# Altium PCB DCAC_V2.PcbDoc (part 2 of 2) (continued)
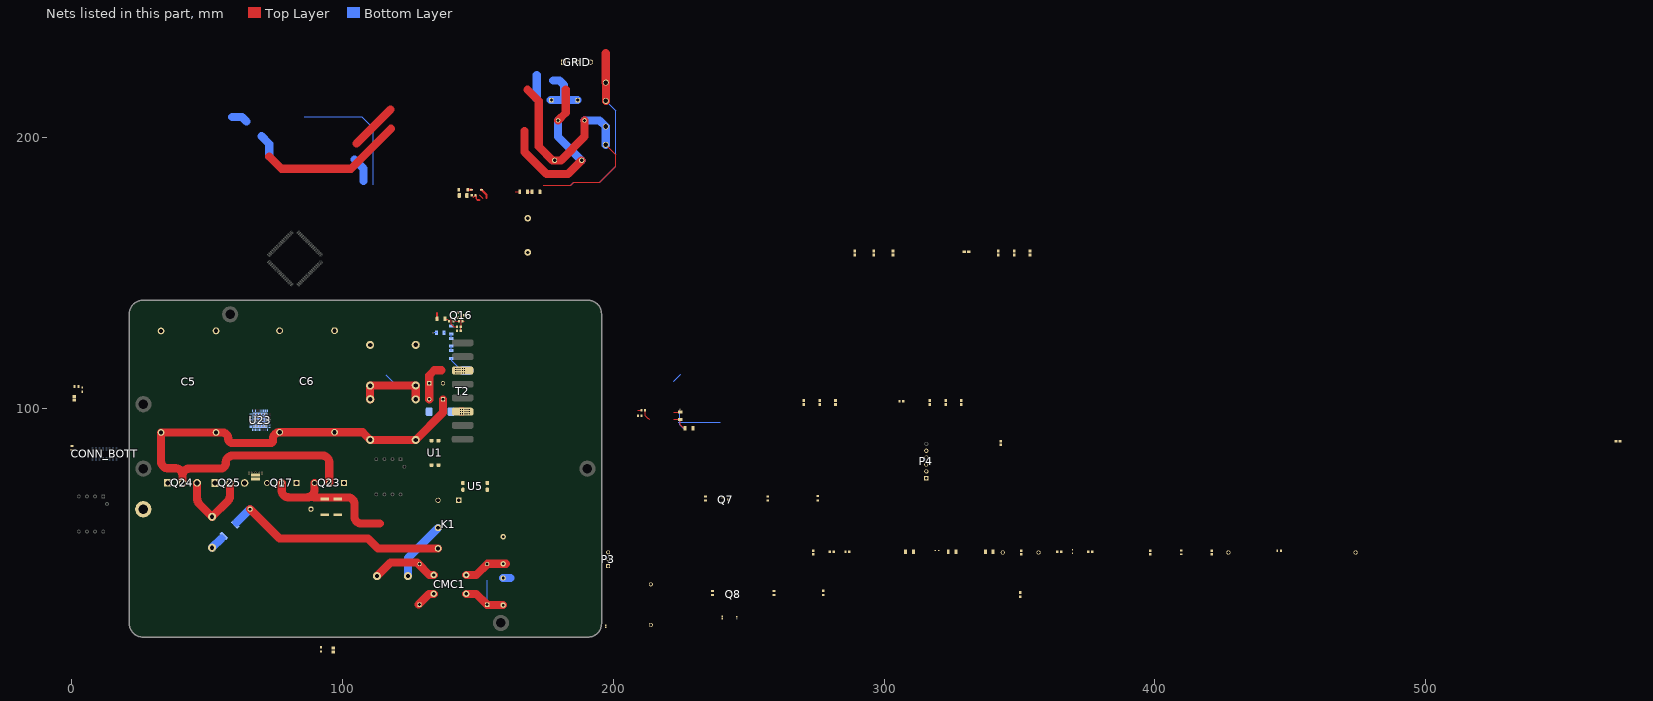
[diagram p3: the nets of this part, all layers, seen from the top]
## Part data (continued)
R130: library part CMP-2100-03667-1, "Chip Resistor, 0 Ohm, +/- 5%, 0.1 W, -55 to 155 degC, 0603 (1608 Metric), RoHS, Tape and Reel", Case Code (Imperial)=0603, Case Code (Metric)=1608, Manufacturer=Yageo, Manufacturer Part Number=RC0603JR-070RL, Max Operating Temperature=155degC, Max Power Dissipation=100mW, Min Operating Temperature=-55degC, Package Description="2-Pin Surface Mount Device, Body 1.6 x 0.8 mm", Package Quantity=5000, Resistance=0mOhm, Resistance Tolerance=5%, Resistor Type="Thick Film", Temperature coefficient=200ppm/degreesC, Voltage Rating=50V, Case/Package=0603, Category="Chip SMD Resistors", ComponentLink1Description=https://datasheet.ciiva.com/11808/pyu-r-int-6-11808700.pdf?src-supplier=RSComponents, ComponentLink1URL=https://datasheet.ciiva.com/11808/pyu-r-int-6-11808700.pdf?src-supplier=RSComponents, ComponentLink2Description=https://datasheet.ciiva.com/22747/443971-22747530.pdf?src-supplier=Element14, ComponentLink2URL=https://datasheet.ciiva.com/22747/443971-22747530.pdf?src-supplier=Element14, ComponentLink3Description=https://datasheet.ciiva.com/12555/rc0603-272842-12555254.pdf?src-supplier=Mouser, ComponentLink3URL=https://datasheet.ciiva.com/12555/rc0603-272842-12555254.pdf?src-supplier=Mouser, ComponentLink4Description=https://datasheet.ciiva.com/7746/1738695-7746421.pdf?src-supplier=Element14, ComponentLink4URL=https://datasheet.ciiva.com/7746/1738695-7746421.pdf?src-supplier=Element14, ComponentLink5Description=https://datasheet.ciiva.com/7746/1738695-7746422.pdf?src-supplier=Element14, ComponentLink5URL=https://datasheet.ciiva.com/7746/1738695-7746422.pdf?src-supplier=Element14, ComponentLink6Description=https://datasheet.ciiva.com/8883/pyu-rc0603-51-rohs-l-4-8883045.pdf?src-supplier=Avnet, ComponentLink6URL=https://datasheet.ciiva.com/8883/pyu-rc0603-51-rohs-l-4-8883045.pdf?src-supplier=Avnet, ComponentLink7Description=https://datasheet.ciiva.com/15189/getdatasheetpartid-329462-15189845.pdf?src-supplier=Verical, ComponentLink7URL=https://datasheet.ciiva.com/15189/getdatasheetpartid-329462-15189845.pdf?src-supplier=Verical, Composition=ThickFilm, Construction=Rectangular, Contact Plating=Tin, Datasheet URL=http://www.yageo.com/NewPortal/yageodocoutput?fileName=/pdf/R-Chip/PYu-RC_Group_51_RoHS_L_5.pdf, Datasheet Version="Rev. 5, 10/2016", Depth=0.8mm, Features="Moisture Resistant", Height=0.45mm, Lead Free=LeadFree, Length=1.6mm, Manufacturer URL=http://www.yageo.com/, Military Standard=Not, Number of Pins=2, Number of Terminations=2, Package Reference=0603, Packaging=TapeandReel, Power Rating=100mW, Pricing 1="5000=0.00138, 10000=0.00136, 20000=0.00132, 30000=0.00129, 40000=0.00124, 50000=0.00121, 500000=0.00118 (USD)", Radiation Hardening=No, REACH SVHC=NoSVHC, RoHS=Yes, RoHS Compliant=Yes, RoHSCompliant=true, Series=RC, Size Code=0603, Stock 1=1330000, Supplier 1=Avnet, Supplier Part Number 1=RC0603JR-070RL, Technology="THICK FILM", Termination=SMD/SMT, Tolerance=5%, Voltage Rating (DC)=50V, Width=0.8mm
R152: library part CMP-2000-00841-1, Case Code (Imperial)=0603, Case Code (Metric)=1608, Manufacturer=Panasonic, Manufacturer Part Number=ERJ-3RQF1R0V, Max Operating Temperature=125°C, Max Power Dissipation=100mW, Min Operating Temperature=-55°C, Package Quantity=5000, Resistance Tolerance=1%, Resistor Type="Thick Film", Supplier Part Number 1=P1.0AJCT-ND, Temperature coefficient=200ppm/°C, Case/Package=0603, Category="Chip SMD Resistors", ComponentLink1Description=https://datasheet.ciiva.com/11810/0900766b80eefa12-11810728.pdf?src-supplier=RSComponents, ComponentLink1URL=https://datasheet.ciiva.com/11810/0900766b80eefa12-11810728.pdf?src-supplier=RSComponents, ComponentLink2Description=https://datasheet.ciiva.com/16396/aoa0000ce3-16396837.pdf?src-supplier=Future+Electronics, ComponentLink2URL=https://datasheet.ciiva.com/16396/aoa0000ce3-16396837.pdf?src-supplier=Future+Electronics, ComponentLink3Description=https://datasheet.ciiva.com/28691/391509-28691973.pdf?src-supplier=Element14, ComponentLink3URL=https://datasheet.ciiva.com/28691/391509-28691973.pdf?src-supplier=Element14, ComponentLink4Description=https://datasheet.ciiva.com/16784/70068852-16784839.pdf?src-supplier=Allied+Electronics, ComponentLink4URL=https://datasheet.ciiva.com/16784/70068852-16784839.pdf?src-supplier=Allied+Electronics, ComponentLink5Description=https://datasheet.ciiva.com/9117/aoa0000ce3-9117368.pdf?src-supplier=Avnet, ComponentLink5URL=https://datasheet.ciiva.com/9117/aoa0000ce3-9117368.pdf?src-supplier=Avnet, ComponentLink6Description=https://datasheet.ciiva.com/24165/aoa0000ce3-72189-24165336.pdf?src-supplier=Mouser, ComponentLink6URL=https://datasheet.ciiva.com/24165/aoa0000ce3-72189-24165336.pdf?src-supplier=Mouser, ComponentLink7Description=https://datasheet.ciiva.com/30060/6aoa0000ce3-30060648.pdf?src-supplier=Onlinecomponents.com, ComponentLink7URL=https://datasheet.ciiva.com/30060/6aoa0000ce3-30060648.pdf?src-supplier=Onlinecomponents.com, ComponentLink8Description=https://datasheet.ciiva.com/6138/391509-6138777.pdf?src-supplier=Farnell, ComponentLink8URL=https://datasheet.ciiva.com/6138/391509-6138777.pdf?src-supplier=Farnell, ComponentLink9Description=https://datasheet.ciiva.com/16766/70068852-16766778.pdf?src-supplier=Allied+Electronics, ComponentLink9URL=https://datasheet.ciiva.com/16766/70068852-16766778.pdf?src-supplier=Allied+Electronics, ComponentLink10Description=https://datasheet.ciiva.com/16853/aoa0000ce3-16853436.pdf?src-supplier=Avnet+Europe, ComponentLink10URL=https://datasheet.ciiva.com/16853/aoa0000ce3-16853436.pdf?src-supplier=Avnet+Europe, ComponentLink11Description=https://datasheet.ciiva.com/43455/391509-43455868.pdf?src-supplier=Farnell, ComponentLink11URL=https://datasheet.ciiva.com/43455/391509-43455868.pdf?src-supplier=Farnell, ComponentLink12Description=https://datasheet.ciiva.com/28547/391509-28547230.pdf?src-supplier=Element14, ComponentLink12URL=https://datasheet.ciiva.com/28547/391509-28547230.pdf?src-supplier=Element14, Construction=Rectangular, Contact Plating=Tin, Depth=0.8mm, Height=0.45mm, Lead Free="Lead Free", Length=1.6mm, Military Standard=Not, Mount="Surface Mount", Number of Pins=2, Number of Terminations=2, Packaging="Tape and Reel", Part Number=ERJ-3RQF1R0V, Power Rating=100mW, Pricing 1="1=0.16000, 10=0.13600, 25=0.09920, 50=0.07200, 100=0.05330, 250=0.04092, 500=0.03224, 1000=0.02232 (USD)", Radiation Hardening=No, REACH SVHC="No SVHC", Resistance=1R, RoHS=Yes, RoHS Compliant=Yes, Series=ERJ, Size Code=0603, Stock 1=180732, Supplier 1=Digi-Key, Technology="THICK FILM", Termination=SMD/SMT, Tolerance=1%, Weight=7.1E-05oz, Width=0.8mm
R196 R197: library part CMP-1018-00284-1, "10R 1W 1% 2512 (6432 Metric)  SMD", Case-EIA=2512, Case-Metric=6432, Power="1 W", Tolerance="1 %", Technology=SMT
Rcsn: library part FCSL32R010FER, "Resistors FCSL Series Metal Foil Power Rating 1.5W Tape Reel Resistance 20 mOhms", Manufacturer=Ohmite, Manufacturer Part Number=FCSL32R020FER, Mouser Part Number=588-FCSL32R020FER, Supplier Part Number 1=FCSL32R020FERCT-ND, Category="Chip SMD Resistors", ComponentLink1Description=http://www.farnell.com/datasheets/2645666.pdf?src-supplier=Farnell, ComponentLink1URL=http://www.farnell.com/datasheets/2645666.pdf?src-supplier=Farnell, Datasheet Link=https://www.mouser.com/datasheet/2/303/res_fcsl-1265567.pdf, Height=0.8mm, Manufacturer_Name=Ohmite, Manufacturer_Part_Number=FCSL32R020FER, Mouser Price/Stock=https://www.mouser.co.uk/ProductDetail/Ohmite/FCSL32R010FER?qs=y6ZabgHbY%252Bzyqz46BACxrg%3D%3D, Pricing 1="1=0.63000, 10=0.45000, 25=0.35120, 50=0.29700, 100=0.23400, 250=0.19800, 500=0.16200, 1000=0.12600 (USD)", RoHS=Yes, Stock 1=1940, Supplier 1=Digi-Key
RELAY: library part CMP-1426-00002-1, "SMD mono-color Chip LED, WL-SMCW, Green", Color=Green, Manufacturer="Wuerth Elektronik", ComponentLink1Description="Manufacturer URL", ComponentLink1URL=http://www.we-online.com, ComponentLink2Description=Datasheet, ComponentLink2URL=http://katalog.we-online.com/led/datasheet/150060GS75000.pdf, PackageReference=0603_A, PartNumber=150060GS75000
T1 T3: "Push Pull"
T2: library part TI-ETD39-200V-2A-LLC, "Lr=1.9uH / Lm=10.2uH / n=5.7 / Vin=30-40V / Vout=200V"
TP7 TP25 TP26: library part CMP-2000-05182-1, "Test Point, White, 1-Pin THD, RoHS, Bulk", Color=White, Manufacturer=KeystoneElectronics, Brand=KeystoneElectronics, Contact Material=PhosphorBronze, Datasheet URL=https://ciiva.com/datasheet-click-2917627?src=ciiva&sig=bd195616, Datasheet Version="Rev. G, 12/2008", Length=7.62mm, Manufacturer URL=http://www.keyelco.com/, Material=Nylon, Mounting Hole Size=1mm, Outside Diameter=2.54mm, Packaging=Bulk, Plating=Silver, Product=TestPoints, Product Category=CircuitBoardHardware-PCB, RoHS=True, Type=Miniature
TP9: library part CMP-2000-05181-1, "Test Point, Black, 1-Pin THD, RoHS, Bulk", Alternate Color="5004K-ND / -TESTPOINTPCMINI.040\"DYELLOW / 5003K-ND / -TESTPOINTPCMINI.040\"DORANGE / 5002K-ND / -TESTPOINTPCMINI.040\"DWHITE / 5000K-ND / -TESTPOINTPCMINI.040\"DRED", Color=Black, Manufacturer=Keystone, Standard Package=100, Catalog Drawings=5000Series, Category=TestandMeasurement, Datasheet URL=https://ciiva.com/datasheet-click-2917627?src=ciiva&sig=bd195616, Datasheet Version="Rev. G, 12/2008", Family=TestPoints, Kits="DKTGRS232C-KIT-ND / -TTLCONVERTER", Manufacturer URL=http://www.keyelco.com/, Material=Base,Nylon46,UL94V-0, Mounting Type="0.040\"(1.02mm)HoleDiameter", Online Catalog=ColorCodedTestPoints, Other Names=5001K, Packaging=Bulk, RoHS Information=RoHSComplianceStatement, Series=THM, Terminal="0.010\"x0.020\"(0.25mmx0.51mm)PhosphorBronzeWire,SilverPlated", Type=PCTestPoint,Miniature
U1 U5: "Optocoupler DC-IN 1-CH Transistor DC-OUT 4-Pin PDIP SMD T/R", Case/Package=SMD/SMT, Collector Emitter Saturation Voltage=200mV, Collector Emitter Voltage (VCEO)=80V, Current Transfer Ratio=320%, Forward Current=50mA, Forward Voltage=1.4V, Isolation Voltage=5kV, Manufacturer="Vishay Lite-On", Manufacturer Part Number=LTV-816S-TA1, Max Operating Temperature=110°C, Max Power Dissipation=200mW, Min Operating Temperature=-50°C, Package Quantity=1000, Reverse Breakdown Voltage=6V, Supplier Part Number 1=859-LTV-816S-TA1, Category=Optocouplers, Collector-emitter Voltage-Max=200mV, ComponentLink1Description=https://datasheet.ciiva.com/15119/getdatasheetpartid-317372-15119066.pdf?src-supplier=Verical, ComponentLink1URL=https://datasheet.ciiva.com/15119/getdatasheetpartid-317372-15119066.pdf?src-supplier=Verical, ComponentLink2Description=https://datasheet.ciiva.com/6573/s-110-ltv-816826846m-s-s-ta-s-ta1-s-tpseries-6573991.pdf?src-supplier=Digi-Key, ComponentLink2URL=https://datasheet.ciiva.com/6573/s-110-ltv-816826846m-s-s-ta-s-ta1-s-tpseries-6573991.pdf?src-supplier=Digi-Key, ComponentLink3Description=https://datasheet.ciiva.com/6573/s-110-ltv-816826846m-s-s-ta-s-ta1-s-tpseries-6573992.pdf?src-supplier=Digi-Key, ComponentLink3URL=https://datasheet.ciiva.com/6573/s-110-ltv-816826846m-s-s-ta-s-ta1-s-tpseries-6573992.pdf?src-supplier=Digi-Key, ComponentLink4Description=https://datasheet.ciiva.com/6573/s-110-ltv-816826846m-s-s-ta-s-ta1-s-tpseries-6573993.pdf?src-supplier=Digi-Key, ComponentLink4URL=https://datasheet.ciiva.com/6573/s-110-ltv-816826846m-s-s-ta-s-ta1-s-tpseries-6573993.pdf?src-supplier=Digi-Key, Fall Time=18000ns, Input Type=DC, Isolation Voltage-Max=5kV, Lead Free="Lead Free", Max Collector Current=50mA, Max Input Current=50mA, Max Output Voltage=80V, Mount="Surface Mount", Number of Channels=1, Number of Circuits=1, Number of Elements=1, Number of Pins=4, Output Current Per Channel=50mA, Output Voltage=80V, Packaging="Tape and Reel", Power Dissipation=200mW, Pricing 1="1=0.22000, 10=0.19900, 50=0.19900, 100=0.18000, 1000=0.12500, 10000=0.09700 (USD)", Radiation Hardening=No, Rise Time=18000ns, RoHS=Yes, RoHS Compliant=Yes, Series=-, Stock 1=373, Supplier 1=Mouser
U2: library part CMP-12757-000011-1, "IC REG BOOST ADJUSTABLE 4.5A 8SO", Case/Package=SOP, Max Input Voltage=5.5V, Max Operating Temperature=85°C, Max Output Current=4.5A, Max Output Voltage=24V, Min Input Voltage=2.7V, Min Operating Temperature=-40°C, Operating Supply Current=3mA, Package Quantity=2500, Switching Frequency=520kHz, Efficiency=90%, Min Output Voltage=2.7V, Min Supply Voltage=2.7V, Mount="Surface Mount", Number of Outputs=1, Operating Supply Voltage=5.5V, Output Configuration=Positive, Output Current=4.5A, Output Type=Adjustable, Output Voltage=24V, Packaging="Tape and Reel", Radiation Hardening=No, Synchronous Rectifier=No, Topology=Boost
U23: Manufacturer=STMicroelectronics, Manufacturer Part Number=STM32G491CCU6, Supplier Part Number 1=497-STM32G491CCU6-ND, RoHS=Yes, Supplier 1=Digi-Key

## Free pads (board coordinates)
  round 6 hole 3.5: H2(58.425,134.625) H4(158.425,20.625) H5(190.375,77.625) H6(26.333,62.625) H6(26.373,77.625) H6(26.375,101.425)

## Via types
v1: diameter 0.6, hole 0.3, Top Layer to Bottom Layer, tented both sides, 111 vias

## Nets (pads, with @x,y where several pads share a name; then routed paths per layer and width w, separated by ;. In a path a pad name is that pad's centre, name@x,y a point inside that pad or via, vN(x,y) a via of type N, cw(c..) or ccw(c..) an arc to the next point about the centre after c; other vN are vias at no path point)
AC_FUSE_MON: C19.2 R14.1
ADC1_IN4_3: 
ADC1_IN5_3: 
ADC2_IN4_3: 
ADC2_IN5_3: 
BOTT_GND: C1.2 C3.2 C5.2 C6.2 C8.1 C53.1 C54.1 C55.1 C56.1 C57.2 C58.2 C59.2 CONN_BOTT.17 CONN_BOTT.18 CONN_BOTT.19 CONN_BOTT.20 CONN_BOTT.21 CONN_BOTT.22 CONN_BOTT.23 CONN_BOTT.24 CONN_BOTT.25 CONN_BOTT.26 CONN_BOTT.27 CONN_BOTT.28 CONN_BOTT.29 CONN_BOTT.30 CONN_BOTT.31 CONN_BOTT.32 D4.2 pad.H6@26.333,62.625 Q8.2 R10.1 R107.1 Rcsn.1 TP9.1
  other v1: 65.375,75.5 70.175,75.5 65.375,76.3 66.175,76.3 66.975,76.3 67.775,76.3 68.575,76.3 69.375,76.3 70.175,76.3
BOTT_TRIG_ADC: 
BOTT_TWO_LEVEL_TIM1_CH2_5: 
BOTT_TWO_LEVEL_TIM1_CH2N: 
DAC1_3: 
DAC1_4: U23.13
DAC1_5: 
DRV_HF_MOS: 
DRV_LF_MOS: 
DRV_TOP_HF_MOS: U23.32
DRV_TOP_LF_MOS: 
"EARTH GND": C35.1 C37.2 GDT1.2 GRID.3 | length 11.8
  Bottom Layer w3: C37.2@159.225,37.225 161.993,37.225 ; 171.65,214.082 171.65,223.075
EN_DCDC_BOOST_3: 
EN_DCDC_BOOST_4: 
EN_DCDC_BOOST_5: 
GND: C18.1 C19.1 C38.1 P3.3 R152.1 U1.3 U5.3
GRID_VAC_OPAMP2_IN+_3: 
GRID_VAC_OPAMP2_OUT_3: 
GRID_VAC_OPAMP3_OUT_3: 
HF_TOP_TRIG_ADC: U23.33
HV_ADC1_IN4_5: 
HV_OPAMP1_COMP1_IN_5: 
HV_OPAMP1_OUT_5: 
HVDC_FUSE_MON: C18.2 R9.1
IAC_ADC2_IN4_4: U23.15
IAC_ADC2_IN5_4: U23.16
IAC_COMP1_INP_4: U23.8 U23.9
IAC_COMP3_INP_3: 
IAC_OPAMP1_OUT_3: 
IAC_OPAMP2_IN+_COMP4_INP_4: U23.17 U23.19
IAC_OPAMP2_OUT_4: U23.14
IAC_OPAMP3_OUT_4: U23.18
IAC_PGA2_VIN+_4: U23.11
IAC_PGA2_VOUT_4: U23.10
IHV_ADC2_IN4_COMP2_INP_5: 
IHV_OPAMP2_IN+_5: 
IHV_OPAMP2_IN-_5: 
IHV_OPAMP2_OUT_5: 
INV_IND_SHUNT+: L2.1 R51.1 | length 10.9
  Bottom Layer w3: L2.1@51.75,48.45 55.187,51.887 ; 59.175,207.511 62.831,207.511 64.486,205.856
INV_IND_SHUNT-: C33.2 K1.2 R51.2 | length 144.2
  Top Layer w3: C33.2@65.775,62.675 76.575,51.875 109.345,51.875 113.075,48.145 K1.2@135.23,48.145 ; 72.875,192.875 77.375,188.375 103.025,188.375 117.82,203.17
  Bottom Layer w3: 60.81,57.71 C33.2@65.775,62.675 ; 69.931,200.411 72.875,197.467 72.875,192.875
INV_RTN_SHUNT+: 
INV_RTN_SHUNT-: 
L_GRID: C17.2 C35.2 CMC1.4 F1.1 F1.2 GMOV.1 R27.2 R28.2 R37.2 TP26.1 | length 122.4
  Top Layer w0.254: 174.048,182.348 184.227,182.348 185.304,183.425 194.9,183.425 200.8,189.325 200.8,193.57 F1.1@197.15,197.22
  Top Layer w3: CMC1.4@145.6,38.375 149.325,38.375 153.425,42.475 C35.2@159.25,42.475 160.339,42.475 ; 168.239,217.575 172.4,213.414 172.4,196.625 177.525,191.5 GMOV.1@178.25,191.5 180.55,191.5 189.3,200.25 R37.2@189.3,206.25
  Bottom Layer w3: R37.2@189.3,206.25 194.88,206.25 F1.2@197.15,203.98 F1.1@197.15,197.22
LF_TOP_TRIG_ADC: 
N_GRID: C17.1 C37.1 CMC1.3 GMOV.2 GRID.2 R38.2 R39.1 | length 100.5
  Top Layer w3: CMC1.3@145.6,31.375 149.325,31.375 C17.1@153.325,27.375 153.375,27.325 C37.1@159.225,27.325 ; 167.125,202.325 167.125,194.625 175.25,186.5 183.25,186.5 GMOV.2@188.25,191.5 ; R38.2@179.55,206.225 182.375,209.05 182.375,217.65
  Bottom Layer w0.254: 115.825,112.375 120.925,107.275 ; C17.1@153.325,27.375 153.325,36.35 ; 222.2,109.85 224.925,112.575
  Bottom Layer w3: R38.2@179.55,206.225 179.55,200.2 GMOV.2@188.25,191.5
NCHP_TIM8_CH1_3: 
NCHP_TIM8_CH1_4: U23.27
NCHP_TIM8_CH1_5: 
NetC1_1: C1.1 C2.2 C3.1 C4.2 T2.11 | length 26.9
  Top Layer w3: C2.2@110.15,103.25 110.125,103.275 C1.1@110.125,108.3 110.175,108.35 C3.1@126.95,108.35 C4.2@126.95,103.375 ; T2.11@143.486,98.7 v1(143.488,98.702) ; T2.11@144.274,98.695 T2.11@144.3,98.695
  other v1: 143.5,97.9 144.3,97.9 145.125,97.9 145.925,97.9 146.725,97.9 144.288,98.702 145.113,98.702 145.913,98.702 146.713,98.702 143.5,99.5 144.3,99.5 145.125,99.5 145.925,99.5 146.725,99.5
NetC10_1: C10.1 R10.2
NetC16_2: C16.2 CMC1.1 L3.1 TP25.1 | length 24.9
  Top Layer w3: L3.1@112.614,37.925 117.614,42.925 127.4,42.925 127.925,42.4 131.95,38.375 CMC1.1@133.6,38.375
NetC20_2: 
NetC21_1: 
NetC21_2: 
NetC23_2: 
NetC25_1: 
NetC26_2: 
NetC27_2: 
NetC32_1: 
NetC33_1: C33.1 R196.2 R197.2
NetC36_1: 
NetC36_2: 
NetC38_2: C38.2 D18.2 K1.1 R43.1 | length 2.3
  Top Layer w0.8: R43.1@134.74,133.075 134.769,133.104 134.769,135.121 ; R43.1@134.8,132.938 R43.1@134.954,132.784
NetC39_1: 
NetC39_2: 
NetC43_2: 
NetC47_1: 
NetC47_2: 
NetC49_2: 
NetC50_1: 
NetC51_1: C51.1
NetC51_2: C51.2
NetC52_1: 
NetC52_2: 
NetC61_1: 
NetC61_2: 
NetC62_2: 
NetC68_1: 
NetC68_2: 
NetC71_2: 
NetC73_1: 
NetC73_2: 
NetC74_2: 
NetC75_2: 
NetC76_2: 
NetC81_1: 
NetC82_2: 
NetC86_2: 
NetC87_2: 
NetC88_1: 
NetC88_2: 
NetC91_2: 
NetC92_2: 
NetC96_1: C96.1 R130.2
NetC98_1: 
NetC101_2: 
NetC102_2: 
NetC106_2: 
NetC107_1: 
NetC107_2: 
NetC108_1: 
NetC108_2: 
NetC110_2: 
NetC112_2: 
NetC113_2: 
NetC116_1: 
NetC116_2: 
NetC121_2: 
NetC122_2: 
NetC123_1: 
NetC124_1: 
NetC124_2: 
NetC125_1: 
NetC125_2: 
NetC129_1: 
NetC129_2: 
NetC132_2: 
NetC133_1: 
NetC138_1: 
NetC145_1: 
NetC146_1: C146.1
NetC146_2: C146.2
NetC147_1: 
NetC147_2: 
NetC152_1: 
NetC152_2: 
NetC154_2: 
NetC159_1: 
NetC160_1: 
NetC168_1: 
NetC168_2: 
NetC170_2: 
NetCONN_TOP_4: 
NetCONN_TOP_14: 
NetD3_2: D3.2 D4.1 F4.2 R218.1 U1.1 | length 14.2
  Top Layer w3: D3.2@131.935,103.225 D4.1@131.935,109.15 131.935,112.085 133.8,113.95 136.449,113.95
  Bottom Layer w0.3: R218.1@137.5,127.975 R218.1@137.6,127.975
NetD6_1: 
NetD7_1: 
NetD8_2: D8.2 D14.2
NetD10_2: 
NetD11_1: 
NetD12_1: 
NetD13_2: 
NetD16_2: 
NetD18_1: D18.1 D19.2 | length 1.4
  Top Layer w0.8: D18.1@146.135,180.65 146.148,180.638 147.537,180.638 D19.2@147.55,180.625
NetD19_1: D19.1 K1.4 Q16.3 R4.1 | length 4.3
  Top Layer w0.254: R4.1@144.275,132.075 144.851,132.075
  Top Layer w0.8: D19.1@151.087,180.675 151.137,180.625 D19.1@151.25,180.625 ; D19.1@151.45,180.575 151.45,180.425 153.1,178.775 153.1,177.675
NetD21_1: U23.36
NetD23_1: U23.37
NetD24_1: 
NetD24_2: 
NetD27_3: 
NetF2_1: F2.1 F2.2 GRID.1 R219.2 U5.2 | length 99.2
  Top Layer w0.254: 222.275,98.375 223.877,98.375 224.025,98.523 224.025,98.85 224.552,98.85 224.55,98.852 v1(224.55,99.55)
  Top Layer w3: 197.15,231.05 197.15,220.23 F2.2@197.175,220.205 F2.1@197.175,213.445
  Bottom Layer w0.254: 174.025,182.375 184.25,182.375 185.275,183.4 194.875,183.4 200.777,189.302 200.777,209.843 F2.1@197.175,213.445 ; 223.924,94.775 239.35,94.775 ; v1(224.55,99.55) 224.55,93.849 225.824,92.575
NetF4_1: F4.1 R2.2 T2.14 | length 13.4
  Bottom Layer w0.3: R2.2@140.35,118.325 140.35,117.417 v1@144.108,113.658 ; v1@143.443,114.707 143.5,114.65 v1@144.3,114.65 ; v1@143.5,113.05 v1@144.108,113.658 ; v1@144.302,113.852 v1@144.928,113.852 ; 144.928,113.301 144.466,113.301 v1@144.108,113.658 ; 145.113,112.654 145.112,113.05 145.112,113.117 145.112,113.852 v1@145.112,114.662
  Bottom Layer w3.2: v1@144.288,113.852 v1@144.302,113.852 ; v1@144.928,113.852 145.112,113.852 145.913,113.852 146.05,113.852 146.713,113.852
  other v1: 141.75,113 142.55,113 143.375,113 144.175,113 144.975,113 141.738,113.802 142.538,113.802 143.363,113.802 144.163,113.802 144.963,113.802 141.75,114.6 142.55,114.6 143.375,114.6 144.175,114.6 144.975,114.6
NetGDT1_1: GDT1.1 R37.1 R38.1 | length 20.1
  Bottom Layer w3: R38.1@176.85,213.75 177.05,213.75 181.75,213.75 ; 177.75,221.05 179.993,221.05 181.75,219.293 181.75,213.75 ; R37.1@186.65,213.725 185.325,213.725 185.3,213.75 181.75,213.75
NetIC1_31: 
NetIC2_6: 
NetIC2_7: 
NetIC4_6: 
NetIC4_7: 
NetIC6_6: 
NetIC6_7: 
NetK1_3: K1.3 L3.2 | length 22.5
  Bottom Layer w3: L3.2@124.044,37.925 124.044,44.6 129.417,49.973 129.438,49.973 K1.3@135.23,55.765
NetLED1_1: LED1.1 R106.2
NetLED2_1: LED2.1 R114.2
NetLED3_1: 
NetQ1_1: 
NetQ1_3: 
NetQ4_2: 
NetQ4_5: 
NetQ5_1: 
NetQ5_3: 
NetQ7_3: Q7.3 R114.1
NetQ8_3: Q8.3 R106.1
NetQ9_2: 
NetQ9_5: 
NetQ10_1: 
NetQ10_3: 
NetQ11_1: 
NetQ11_3: 
NetQ12_1: 
NetQ12_3: 
NetQ14_2: 
NetQ14_5: 
NetQ15_1: 
NetQ15_3: 
NetQ16_1: Q16.1 R48.2 R50.2 | length 7.3
  Top Layer w0.254: R50.2@143.55,130.275 R50.2@143.575,130.3 ; R48.2@143.575,128.6 R50.2@143.575,130 R50.2@143.575,130.3 ; 143.575,134.15 R50.2@143.575,130.3 ; 150.475,178.75 150.6,178.625 150.625,178.625 150.948,178.302 150.948,178.277 151.7,177.525
NetQ19_3: 
NetQ20_1: 
NetQ20_3: 
NetR2_1: R2.1 R5.2 | length 1.7
  Bottom Layer w0.3: R2.1@140.075,121.175 R5.2@140.075,122.85
NetR3_1: R3.1 R9.2 U1.4
NetR4_2: R4.2 RELAY.1 | length 2
  Top Layer w0.3: RELAY.1@140.875,132.075 R4.2@142.875,132.075
NetR5_1: R5.1 R12.2 | length 1.8
  Bottom Layer w0.3: R12.2@139.575,127.175 R12.2@139.775,127.375 ; R5.1@140.075,125.7 R12.2@140.075,127.2
NetR12_1: R12.1 R218.2 U1.2 | length 1.2
  Bottom Layer w0.254: v1@133.525,127.95 133.55,127.975 R218.2@134.75,127.975
  other v1: 133.35,127.825
NetR13_1: R13.1 R14.2 U5.4 | length 4.3
  Top Layer w0.254: R13.1@211.625,99.2 R13.1@211.875,99.2 ; R13.1@211.725,99.125 211.725,97.25 212.725,96.25 212.86,96.25 213.275,95.835
NetR16_1: 
NetR17_1: 
NetR18_1: 
NetR19_1: 
NetR20_1: R20.1 R219.1 U5.1 | length 6.3
  Top Layer w0.254: 222.275,95.835 R219.1@224.19,95.835 ; R219.1@224.575,95.725 224.575,93.8 225.718,92.657 226.418,92.657 R20.1@226.5,92.575
NetR20_2: R20.2 R26.1 | length 1.7
  Top Layer w0.254: 163.675,179.825 R26.1@165.375,179.825
NetR22_1: 
NetR22_2: 
NetR26_2: R26.2 R27.1 | length 1.7
  Top Layer w0.254: R26.2@168.225,179.825 R27.1@169.925,179.825
NetR28_1: R28.1 R29.2
NetR29_1: R29.1 R39.2
NetR31_2: 
NetR45_1: 
NetR46_1: 
NetR52_1: 
NetR56_1: 
NetR71_1: 
NetR74_1: 
NetR82_1: U23.46
NetR90_1: 
NetR91_1: 
NetR94_1: 
NetR96_1: 
NetR105_1: 
NetR105_2: 
NetR108_2: 
NetR138_1: 
NetR140_1: 
NetR140_2: 
NetR141_2: 
NetR144_1: 
NetR147_1: 
NetR147_2: 
NetR148_1: 
NetR149_2: 
NetR150_1: 
NetR190_2: 
NetR201_1: 
NetR204_1: 
NetR213_1: 
NRST_3: P4.5
NRST_4: U23.7
NRST_5: 
OPAMP3_IN+_3: C156.2
OV_HV_DCDC: 
RELAY_GRID: R48.1
RELAY_GRID_2: P3.2
RELAY_SENSE: Q16.2 R50.1 R152.2 | length 10.2
  Top Layer w0.254: 140.075,134.475 140.075,130.975 141.05,130 R50.1@142.225,130 ; 148.2,177.85 148.627,178.277 148.702,178.277 148.975,178.55 R152.2@148.975,178.625
  Top Layer w0.6: R152.2@148.975,178.625 148.975,178.55 149.375,178.15 149.375,177.25 149.764,176.861 150.464,176.861 150.6,176.725
SPI_MISO_BOTT: 
SPI_MISO_TOP_HF_MOS: U23.42
SPI_MISO_TOP_LF_MOS: 
SPI_MOSI_BOTT: 
SPI_MOSI_TOP_HF_MOS: U23.43 | length 48.2
  Bottom Layer w0.254: 85.75,207.675 107.05,207.675 111.3,203.425 111.3,182.567
SPI_MOSI_TOP_LF_MOS: 
SPI_SCK_BOTT: 
SPI_SCK_TOP_HF_MOS: U23.41
SPI_SCK_TOP_LF_MOS: 
STATUS1_3: 
STATUS1_4: Q7.1 R117.2
STATUS1_5: Q8.1 R107.2
SWCLK_3: P4.2
SWCLK_4: 
SWCLK_5: 
SWDIO_3: P4.4
SWDIO_4: 
SWDIO_5: 
TMON_ADC1_IN2_4: C31.2 R54.2
TMON_NTC1_5: 
TMON_NTC2_5: 
TMON_NTC_3: 
TMON_NTC_4: U23.6
TMON_SHUNT_NTC_4: U23.12
TOP_HF_GND: C31.1 L2.2 Q7.2 Q24.3 Q25.2 R59.1 R117.1 U23.49 | length 29.8
  Top Layer w3: Q24.3@46.24,72.375 46.24,66.406 ccw(c48.78,66.406) 46.984,64.61 L2.2@51.75,59.844 57.581,65.675 ccw(c55.785,67.471) 58.325,67.471 Q25.2@58.325,72.325
  other v1: 67.275,93.3 68.375,93.3 69.475,93.3 70.575,93.3 71.675,93.3 67.275,94.4 68.375,94.4 69.475,94.4 70.575,94.4 71.675,94.4 67.275,95.5 68.375,95.5 69.475,95.5 70.575,95.5 71.675,95.5 67.275,96.6 68.375,96.6 69.475,96.6 70.575,96.6 71.675,96.6 67.25,97.7 68.375,97.7 69.475,97.7 70.575,97.7 71.675,97.7
TOP_HF_TWO_LEVEL_TIM1_CH2_4: U23.31
TOP_HF_TWO_LEVEL_TIM1_CH2N: U23.34
TOP_HF_V_3V3A: U23.21
TOP_HF_V_3V3D: LED2.2 U23.1 U23.23 U23.35 U23.48
TOP_HF_V_3VN: 
TOP_HF_V_5VP: 
TOP_HF_V_16VP: 
TOP_HF_VREF: U23.20
TOP_LF_GND: C16.1 C83.1 C93.1 C94.1 C95.1 C99.1 C103.2 C104.2 C105.2 C128.2 C156.1 CMC1.2 P4.3 Q17.2 Q23.3 R68.1 R130.1 R196.1 R197.1 | length 88.8
  Top Layer w3: Q17.2@77.465,72.325 77.465,69.565 ccw(c80.005,69.565) 80.005,67.025 87.045,67.025 ; Q23.3@89.585,72.325 89.585,69.565 cw(c86.616,69.994) 87.045,67.025 ; 105.15,197.725 117.675,210.25 ; 113.65,57.375 106.891,57.375 cw(c106.891,59.915) 104.351,59.915 104.351,64.485 ccw(c101.811,64.485) 101.811,67.025 89.764,67.025 cw(c89.767,70.025) 89.174,67.084 ccw(c88.275,62.675) 87.31,67.07 cw(c86.672,70.002) 87.045,67.025 ; C16.1@127.925,27.4 131.9,31.375 CMC1.2@133.6,31.375
  Bottom Layer w3: 104.325,191.75 107.665,188.41 107.665,183.825
TOP_LF_TWO_LEVEL_TIM1_CH2_3: 
TOP_LF_TWO_LEVEL_TIM1_CH2N: 
TOP_LF_V_3V3A: 
TOP_LF_V_3V3D: C99.2 C128.1 P4.1
TOP_LF_V_3VN: C103.1 C104.1 C105.1 D8.1
TOP_LF_V_5VP: C96.2 FB8.2
TOP_LF_V_16VP: C93.2 C94.2 C95.2
TOP_LF_VREF: 
V_3V3A: 
V_3V3D: C53.2 LED1.2
V_3V3DCDC: R3.2 R13.2 | length 1.5
  Top Layer w0.254: 208.975,99.15 R13.2@210.425,99.15
V_3VN: C57.1 C58.1 C59.1
V_5VP: C10.2 FB3.2
V_12: P3.1 R43.2 RELAY.2 | length 1.9
  Top Layer w0.3: R43.2@137.75,132.9 137.901,132.749 138.601,132.749 RELAY.2@139.275,132.075
V_16VP: C54.2 C55.2 C56.2
V_400VDC: C2.1 C4.1 C5.1 C6.1 C8.2 D3.1 Q23.2 Q24.2 TP7.1 | length 210.8
  Top Layer w3: Q24.2@40.8,72.375 40.8,75.085 ; Q23.2@95.025,72.325 95.025,79.885 ccw(c92.485,79.885) 92.485,82.425 60.75,82.425 59.34,82.425 ccw(c59.34,79.885) 59.337,82.425 ccw(c59.34,79.885) 56.8,79.885 56.8,79.65 cw(c54.775,79.65) 54.775,77.625 43.34,77.625 ccw(c43.34,75.085) 40.8,75.085 ; C4.1@126.775,88.25 C2.1@110.15,88.25 107.4,91 ccw(c107.33,91) 107.33,91.07 C6.1@96.975,91.07 C6.1@76.675,91.07 ccw(c76.675,88.645) 74.25,88.645 74.25,88.05 cw(c73.3,88.05) 73.3,87.1 59.325,87.1 cw(c59.325,88.725) 57.7,88.725 ccw(c55.425,88.725) 55.425,91 C5.1@53.2,91 C5.1@32.9,91 32.9,80.29 ccw(c35.44,80.29) 35.44,77.75 38.275,77.75 cw(c38.275,75.225) 40.8,75.225 40.8,75.085 ; C4.1@126.95,88.225 137.015,98.29 D3.1@137.015,103.225
VAC_OPAMP6_IN+_3: 
VAC_OPAMP6_OUT_3: 
VDDB_BOTT: FB3.1
VDDB_TOP_HF_MOS: 
VDDB_TOP_LF_MOS: FB8.1
VH_BOTT_HF_MOS: Q25.1 R60.2
VH_BOTT_LF_MOS: C84.2 Q17.1 R53.2
VH_TOP_HF_MOS: Q24.1 R59.2
VH_TOP_LF_MOS: C83.2 D14.1 Q23.1 R68.2
VMID_BOTT: C84.1 Q17.3 Q25.3 R53.1 R60.1 Rcsn.2
VMON_MOS_DRV_3_N: 
VMON_MOS_DRV_3_P: 
VMON_MOS_DRV_4_N: U23.25
VMON_MOS_DRV_4_P: U23.24
VMON_MOS_DRV_5: 
pads on no net: CONN_BOTT.1 CONN_BOTT.2 CONN_BOTT.3 CONN_BOTT.4 CONN_BOTT.5 CONN_BOTT.6 CONN_BOTT.7 CONN_BOTT.8 CONN_BOTT.9 CONN_BOTT.10 CONN_BOTT.11 CONN_BOTT.12 CONN_BOTT.13 CONN_BOTT.14 CONN_BOTT.15 CONN_BOTT.16 P4.6 R54.1 T1.1 T1.2 T1.3 T1.4 T1.5 T1.6 T1.7 T1.8 T1.9 T2.9 T2.10 T2.12 T2.13 T2.15 T2.16 T3.1 T3.2 T3.3 T3.4 T3.5 T3.6 T3.7 T3.8 T3.9 U2.1 U2.2 U2.3 U2.4 U2.5 U2.6 U2.7 U2.8 U2.9 U2.10 U2.11 U2.12 U2.13 U2.14 U2.15 U2.16 U2.17 U2.18 U2.19 U2.20 U2.21 U2.22 U2.23 U2.24 U2.25 U2.26 U2.27 U2.28 U2.29 U2.30 U2.31 U2.32 U2.33 U2.34 U2.35 U2.36 U2.37 U2.38 U2.39 U2.40 U2.41 U2.42 U2.43 U2.44 U2.45 U2.46 U2.47 U2.48 U2.49 U2.50 U2.51 U2.52 U2.53 U2.54 U2.55 U2.56 U2.57 U2.58 U2.59 U2.60 U2.61 U2.62 U2.63 U2.64 U2.65 U2.66 U2.67 U2.68 U2.69 U2.70 U2.71 U2.72 U2.73 U2.74 U2.75 U2.76 U2.77 U2.78 U2.79 U2.80 U2.81 U2.82 U2.83 U2.84 U2.85 U2.86 U2.87 U2.88 U2.89 U2.90 U2.91 U2.92 U2.93 U2.94 U2.95 U2.96 U2.97 U2.98 U2.99 U2.100 U2.101 U2.102 U2.103 U2.104 U2.105 U2.106 U2.107 U2.108 U2.109 U2.110 U2.111 U2.112 U2.113 U2.114 U2.115 U2.116 U2.117 U2.118 U2.119 U2.120 U2.121 U2.122 U2.123 U2.124 U2.125 U2.126 U2.127 U2.128 U23.2 U23.3 U23.4 U23.5 U23.22 U23.26 U23.28 U23.29 U23.30 U23.38 U23.39 U23.40 U23.44 U23.45 U23.47
copper on no net:
  other v1: 143.275,87.75 144.274,87.745 145.275,87.75 143.275,88.55 144.274,88.545 145.275,88.55 143.275,89.35 144.274,89.345 145.275,89.35 143.275,102.975 144.274,102.97 145.275,102.975 144.274,103.77 143.275,103.775 145.275,103.775 143.275,104.575 144.274,104.57 145.275,104.575 143.275,108.05 144.274,108.045 145.275,108.05 143.275,108.85 144.274,108.845 145.275,108.85 143.275,109.65 144.274,109.645 145.275,109.65 144.274,118.195 143.275,118.2 145.275,118.2 143.275,119 144.274,118.995 145.275,119 144.274,119.795 143.275,119.8 145.275,119.8 143.275,123.275 144.274,123.27 145.275,123.275 143.275,124.075 144.274,124.07 145.275,124.075 143.275,124.875 144.274,124.87 145.275,124.875

## Polygon pours and split planes (outlines as drawn)
no net on Top Layer "NONET_L01_P001" (solid, remove dead copper, pour order 1): 62.35,72.325 cw(c64.325,72.325) 64.325,74.3 71.075,74.3 cw(c71.075,72.3) 73.075,72.3 cw(c71.025,72.3) 71.025,70.25 64.425,70.25 cw(c64.425,72.325)
no net on Top Layer "NONET_L01_P002" (solid, remove dead copper, pour order 2): 62.358,76.883 cw(c64.333,76.883) 64.333,78.858 71.083,78.858 cw(c71.083,76.858) 73.083,76.858 cw(c71.033,76.858) 71.033,74.808 64.433,74.808 cw(c64.433,76.883)
no net on TOP_RTN "NONET_L02_P000" (solid, remove dead copper, pour order 0): 21.825,59.3 21.825,135.35 25.275,138.8 144.35,138.8 144.35,137.575 148.35,133.575 148.35,87.675 146.65,85.975 105,85.975 103.35,84.325 103.35,62.375 97.925,56.95 24.175,56.95

## Other copper
Top Layer:
  rectangle: 141.275,102.975 145.275,109.65
  rectangle: 141.275,87.75 145.275,94.425
  rectangle: 141.275,118.2 145.275,124.875
Bottom Layer:
  rectangle: 142.825,117.825 145.65,125.375

## Silkscreen, mask and mechanical layers (free items; w line width, h text height)
Top Overlay:
  circle w0.254: c130.925,106.425 r21.5
  lines w0.2: 21.177,67.621 21.177,134.818 ; 21.177,67.667 ccw(c26.123,67.667) 26.123,62.721 ; 21.177,134.818 cw(c21.177,134.818) 21.177,134.818 ; 26.075,62.721 140.7,62.721 ; 140.677,139.818 cw(c140.677,134.818) 145.677,134.818 ; 140.686,62.721 ccw(c140.686,67.71) 145.675,67.71 145.675,134.818 ; 140.725,139.821 26.187,139.818 26.177,139.818 ccw(c26.177,134.818) 21.177,134.818
  text "N    PE    L" at 379.175,128.45 h3 r90
  text "M.F.2020" at 366.95,84.876 h2.5
  text "StarGate 450 - DC/AC V2.0" at 163.825,16.701 h2.5
Bottom Overlay:
  circle w0.254: c26.375,77.625 r5.033
  circle w0.254: c26.375,62.625 r5.033
  lines w0.254: 21.125,15.4 31.625,15.4 31.625,25.9 21.125,25.9 21.125,15.4 ; 185.095,129.386 195.595,129.386 195.595,139.886 185.095,139.886 185.095,129.386
Mechanical 1:
  lines w0.5: 21.175,20.4 ccw(c26.175,20.4) 26.175,15.4 190.65,15.4 ; 21.175,20.425 21.175,134.85 ; 21.175,134.825 cw(c26.175,134.825) 26.175,139.825 190.575,139.825 cw(c190.575,134.825) 195.575,134.825 ; 190.579,15.396 ccw(c190.579,20.396) 195.579,20.396 ; 195.575,20.425 195.575,134.85 ; 195.575,129.475 148.85,129.475 148.85,83.062 195.625,83.062

## Text inside footprints (layer, text, board x,y; h text height)
CMC1: Top Overlay "7 (mm)" at 136.933,33.097 h0.7 r90; Top Overlay "1" at 132.361,39.193 h0.7; Top Overlay "FERYSTER" at 135.917,46.051 h1; Top Overlay "DTS-20-V" at 135.79,22.683 h1; Top Overlay "*" at 137.9,32.094 h0.7 r90; Top Overlay "*" at 137.9,37.616 h0.7 r90; Top Overlay "2" at 132.234,29.795 h0.7; Top Overlay "4" at 146.585,39.193 h0.7; Top Overlay "3" at 146.585,29.795 h0.7; Top Overlay "12 (mm)" at 137.695,40.971 h0.7
T1: Top Overlay "FERYSTER" at 0.105,63.723 h0.7 r270; Top Overlay "3 (mm)" at 5.634,55.515 h0.5; Top Overlay "13 (mm)" at 3.699,62.475 h0.5 r270; Top Overlay "8" at 11.195,52.675 h0.7 r270; Top Overlay "1" at 11.225,69.375 h0.7 r270; Top Overlay "4" at 2.181,69.575 h0.7 r270; Top Overlay "5" at 2.181,52.675 h0.7 r270; Top Overlay "EE10-K-V-8P-SS-WZ2579" at 14.737,67.987 h0.7 r270; Top Overlay "2.8 (mm)" at 9.617,67.724 h0.5 r270; Top Overlay "1.4 (mm)" at 10.417,59.371 h0.5; Top Overlay "R" at 0.519,58.111 h0.27 r270
T3: Top Overlay "FERYSTER" at 109.955,77.473 h0.7 r270; Top Overlay "3 (mm)" at 115.484,69.265 h0.5; Top Overlay "13 (mm)" at 113.549,76.225 h0.5 r270; Top Overlay "8" at 121.045,66.425 h0.7 r270; Top Overlay "1" at 121.075,83.125 h0.7 r270; Top Overlay "4" at 112.031,83.325 h0.7 r270; Top Overlay "5" at 112.031,66.425 h0.7 r270; Top Overlay "EE10-K-V-8P-SS-WZ2579" at 124.587,81.737 h0.7 r270; Top Overlay "2.8 (mm)" at 119.467,81.474 h0.5 r270; Top Overlay "1.4 (mm)" at 120.267,73.121 h0.5; Top Overlay "R" at 110.369,71.861 h0.27 r270